# Altium PCB PCB2.PcbDoc
Units mil, origin at the board's own origin, x right, y up, seen from the top; angles counter-clockwise.
Board outline 3785 x 3235 mil, 2 copper layers (Top Layer, Bottom Layer); 24 components, 16 nets, 89 pads, 0 vias.
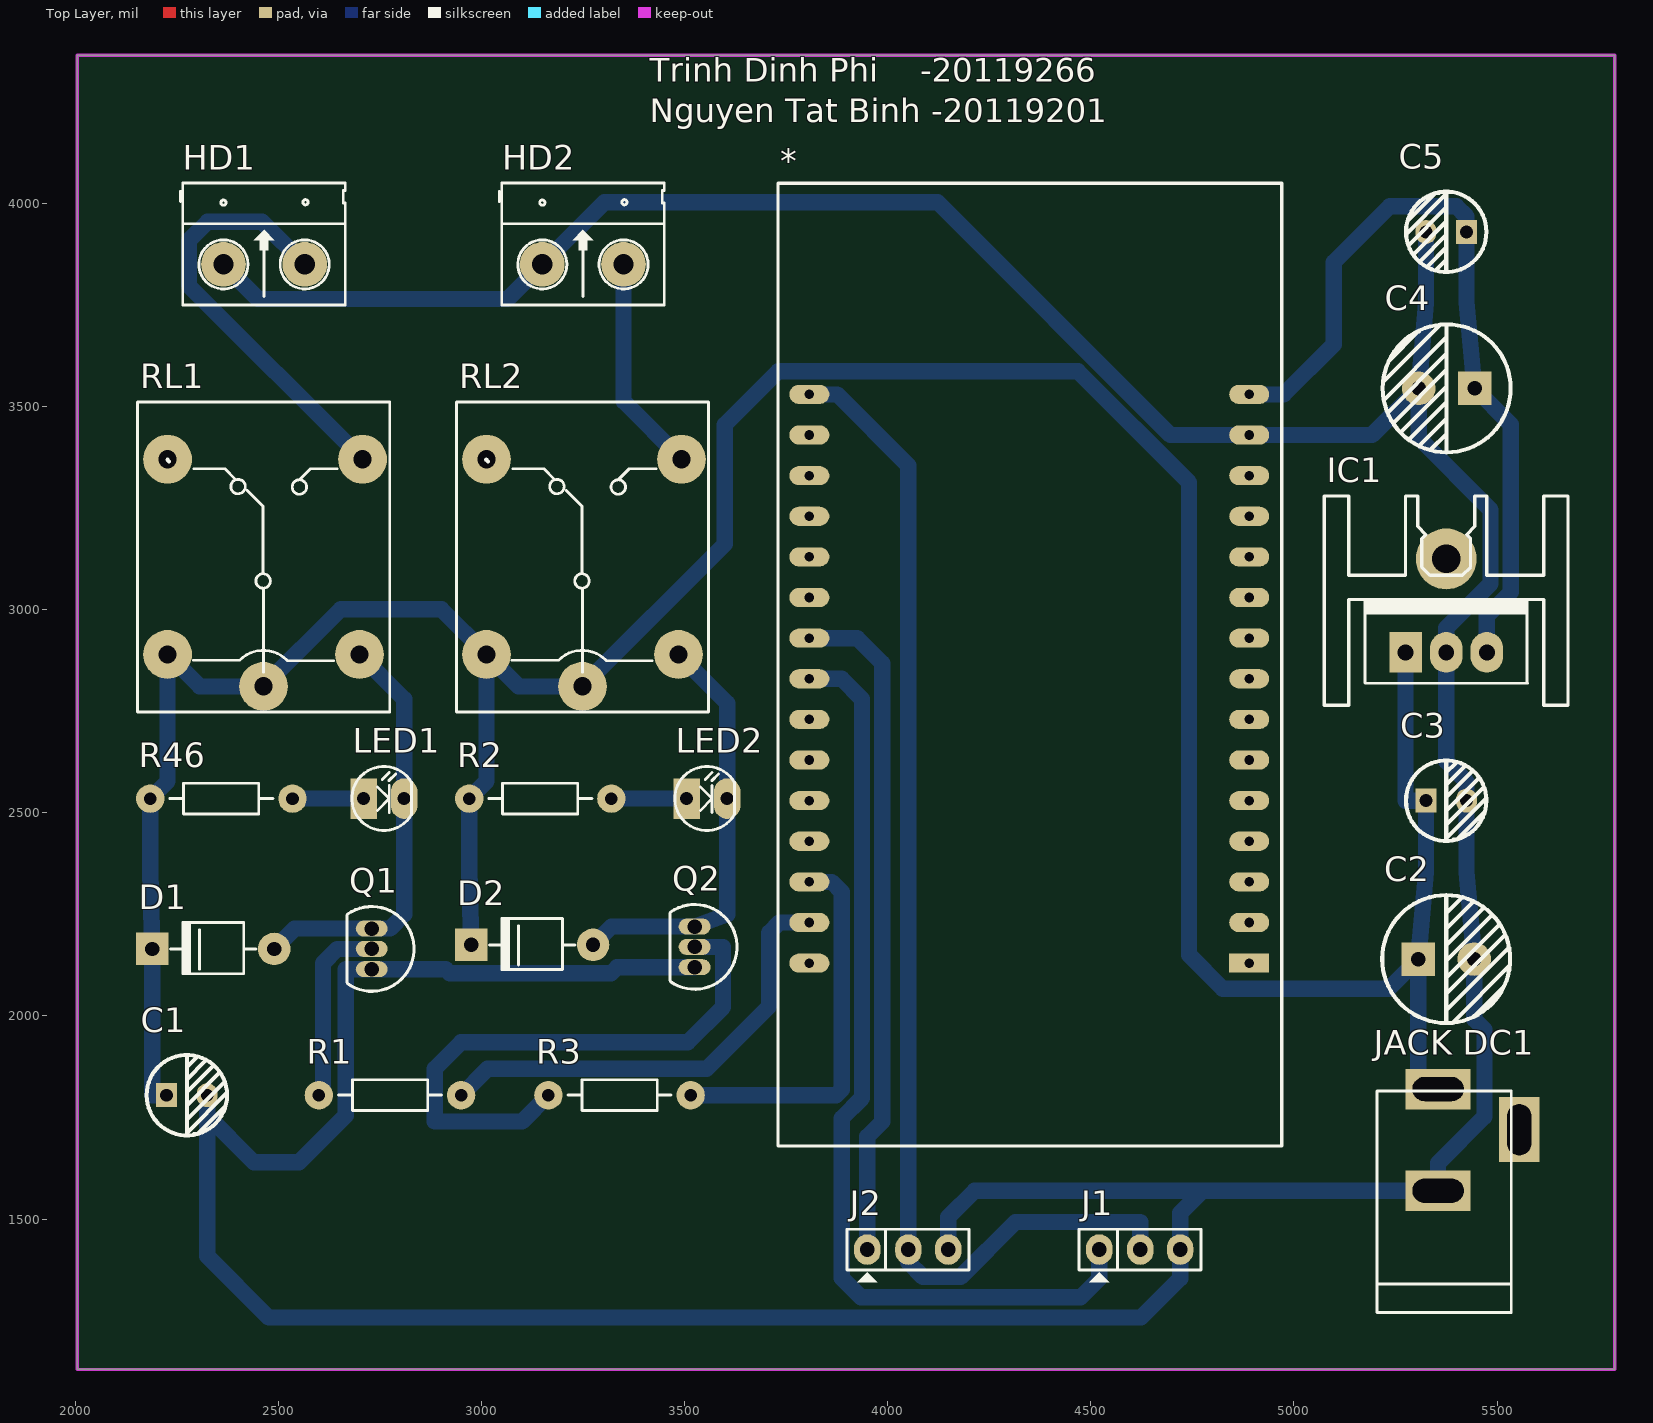
[diagram p0: Top Layer view]
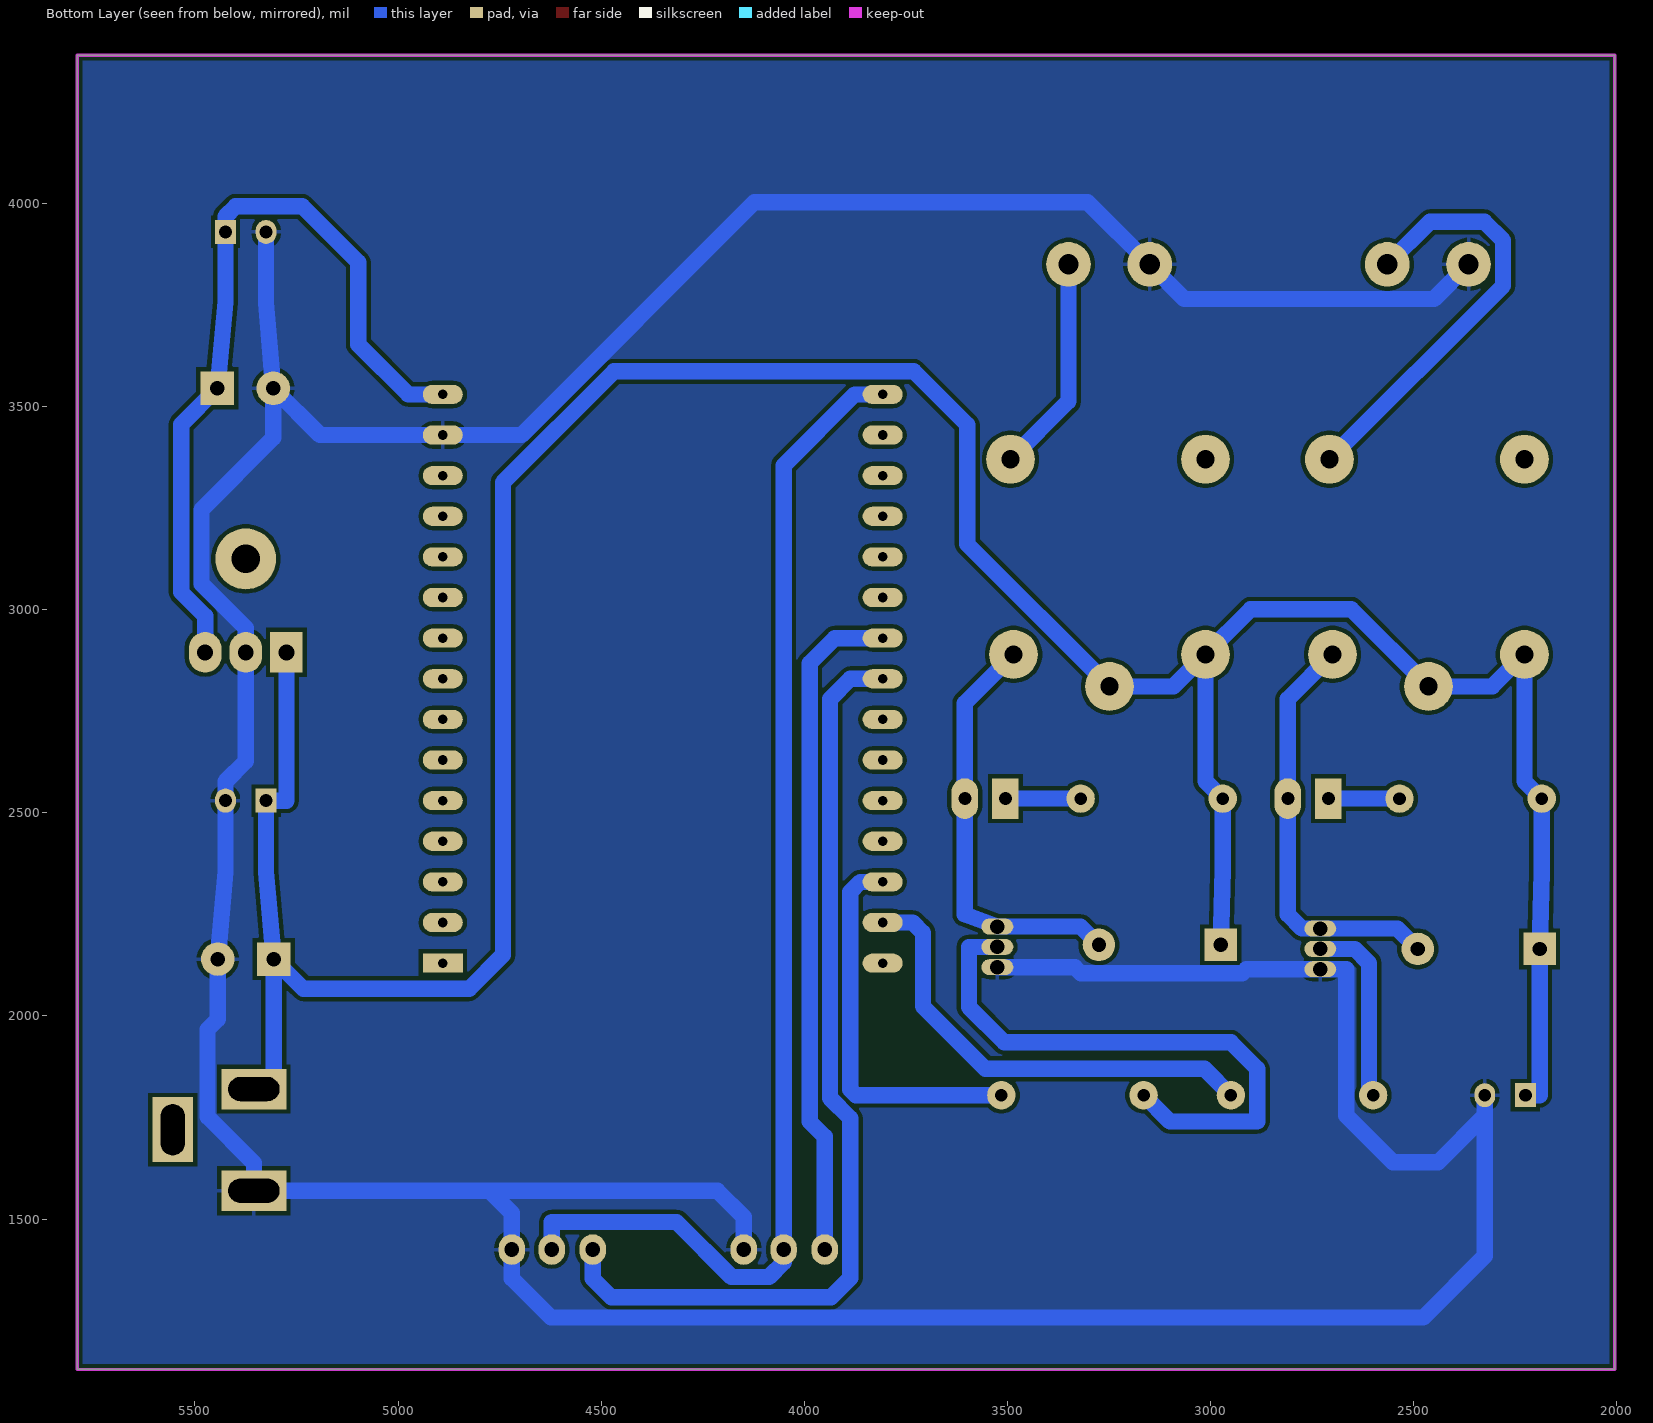
[diagram p1: Bottom Layer view, seen from below]
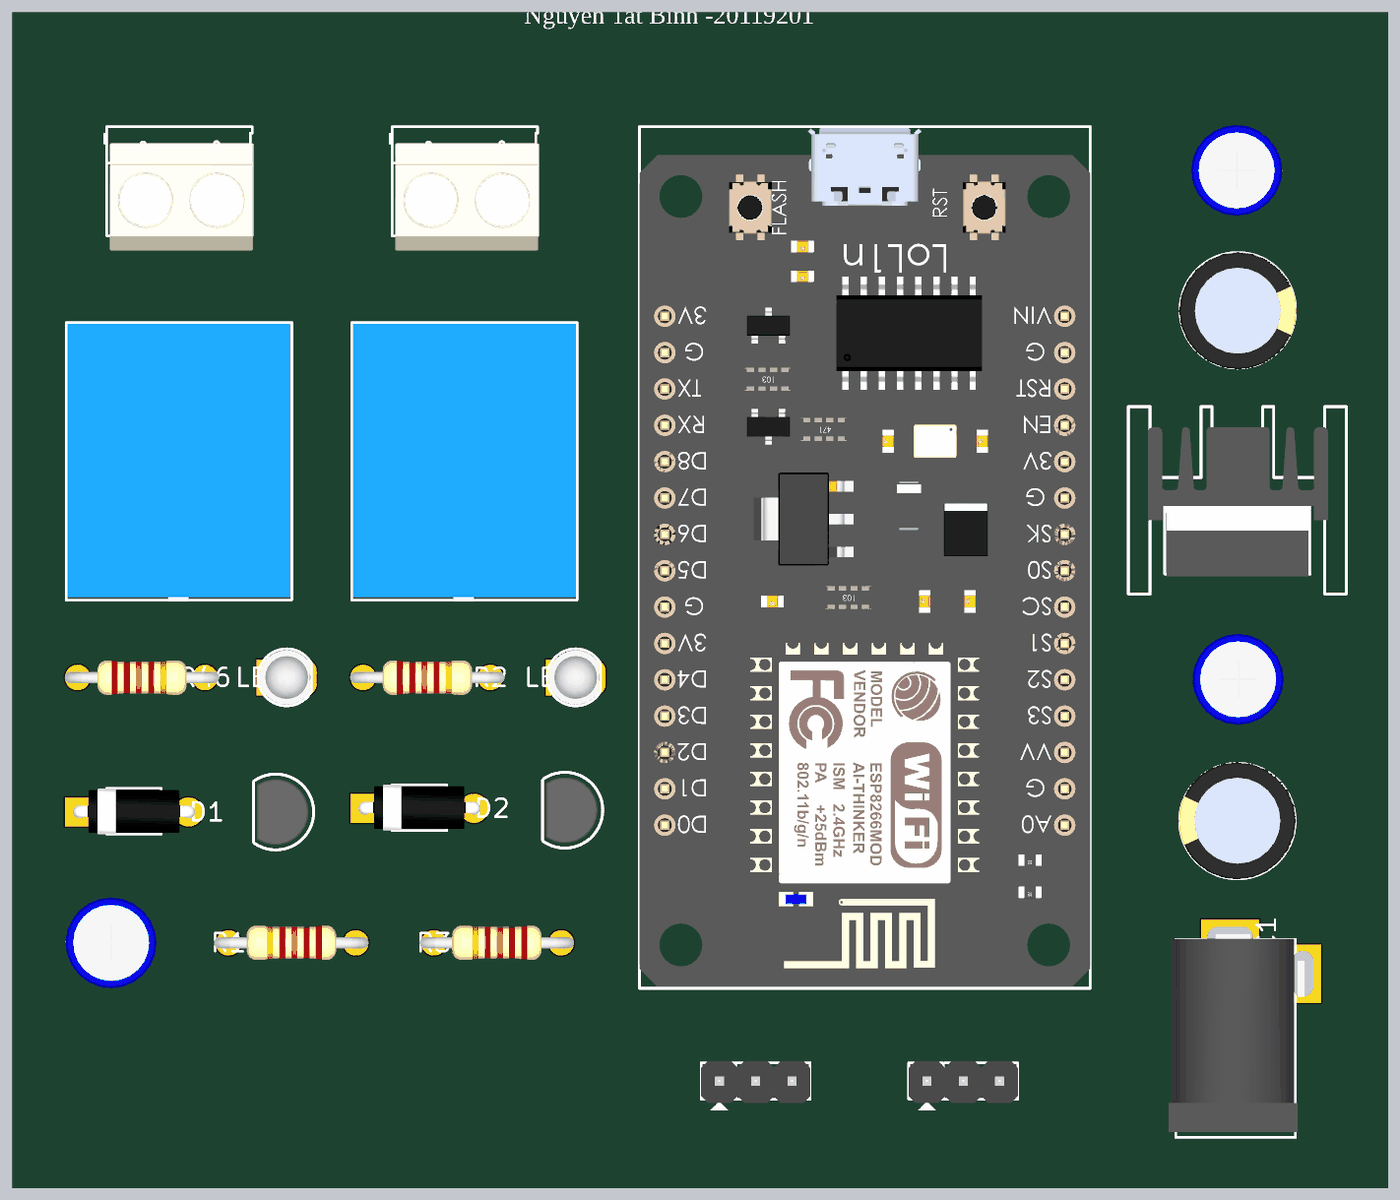
[diagram p2: 3D render of the assembled board from above, using the file's embedded part models]

## Layer stack, top to bottom
Top Solder: solder mask 0.4, Solder Resist, Dk 3.5
Top Layer: signal copper 1.4
Dielectric 1: dielectric 12.6, FR-4, Dk 4.8
Bottom Layer: signal copper 1.4
Bottom Solder: solder mask 0.4, Solder Resist, Dk 3.5

## Board outline
2005,1130 5790,1130 5790,4365 2005,4365

## Design rules (kind name [scope] priority, off if disabled: settings)
Clearance [All] p1: gap=10
PolygonConnect [All] p1: connectstyle=Relief reliefconductorwidth=10 reliefentries=4 polygonreliefangle="90 Angle" airgapwidth=10
RoutingLayers [All] p1: top layer_v5=FALSE bottom layer_v5=TRUE
RoutingVias [All] p1: holewidth=28 width=50 viastyle="Through Hole" minholewidth=28 minwidth=50 maxholewidth=28 maxwidth=50
SolderMaskExpansion [All] p1: expansion=4
Width [All] p1: maxlimit=80 minlimit=20 preferedwidth=40
29 further rules are at their usual default settings.

## Components (designator, comment, footprint, x,y, rotation, side; value= is the part's Value field where it differs from the comment)
* "ESP8266 NODE MCU" "ESP8266 NODE MCU" 4890,2130 r180 top
C1 "0.1uF" "tu hoa 5mm" 2275,1805 r0 top
C2 "1000uF" "tu hoa 8mm" 5375,2140 r0 top
C3 "0.1uF" "tu hoa 5mm" 5375,2530 r0 top
C4 "1000uF" "tu hoa 8mm" 5376.1,3545 r180 top
C5 "0.1uF" "tu hoa 5mm" 5375,3930 r180 top
D1 "100v" "DIODE 1A" 2540,2165 r0 top
D2 "100v" "DIODE 1A" 3325,2175 r0 top
HD1 "Header 2" HED2 2365,3850 r0 top
HD2 "Header 2" HED2 3150,3850 r0 top
IC1 "LM7805" QTO-220H1 5375,2895 r0 top
J1 "Jumper 3" JP3 4621,1425 r0 top
J2 "Jumper 3" JP3 4050,1425 r0 top
"JACK DC1" "JACK DC 5.5" "JACK DC 5.5" 5455,1695 r90 top
LED1 "LED" LED-3 2710,2535 r0 top
LED2 "LED" LED-3 3505,2535 r0 top
Q1 "BC547" TO92 2730,2165 r180 top
Q2 "BC547" TO92 3525,2170 r180 top
R1 "Res1" R1/4W 2600,1805 r0 top
R2 "Res1" R1/4W 3320,2535 r180 top
R3 "Res1" R1/4W 3165,1805 r0 top
R46 "Res1" R1/4W 2535,2535 r180 top
RL1 "Relay" "Relay 5 Chan SRD" 2463.78,2811.26 r90 top
RL2 "Relay" "Relay 5 Chan SRD" 3248.78,2811.26 r90 top

## Footprints (in the part's own frame and the unit in brackets; to place one, negate y for a bottom-side part, rotate by r counter-clockwise, add the part's x,y. Pads: shape width x height; smd on the part's side, far side on the other; paste and mask are expansions set on the pad)
"DIODE 1A" [mil] "Diode 1A"
  round 80 hole 35: 1(-50,0)
  rect 80x80 hole 35: 2(-350,0)
  silkscreen extent -305,-61 -95,65, body extent -366,-61 -34,65, height 122
"ESP8266 NODE MCU" [mm]
  rect 2.5x1.2 hole 0.6: 1(0,0)
  oval 2.5x1.2 hole 0.6: 2(0,-2.54) 3(0,-5.08) 4(0,-7.62) 5(0,-10.16) 6(0,-12.7) 7(0,-15.24) 8(0,-17.78) 9(0,-20.32) 10(0,-22.86) 11(0,-25.4) 12(0,-27.94) 13(0,-30.48) 14(0,-33.02) 15(0,-35.56) 16(27.5,-35.56) 17(27.5,-33.02) 18(27.5,-30.48) 19(27.5,-27.94) 20(27.5,-25.4) 21(27.5,-22.86) 22(27.5,-20.32) 23(27.5,-17.78) 24(27.5,-15.24) 25(27.5,-12.7) 26(27.5,-10.16) 27(27.5,-7.62) 28(27.5,-5.08) 29(27.5,-2.54) 30(27.5,0)
  silkscreen extent -2.03,-48.77 29.46,11.43, body extent -2.04,-48.68 29.46,11.3, height 9.03
HED2 [mil] "Header 2, 2 pin, hight 300mil, Pin to Pin 200, Colour Green"
  round 110 hole 50: 1(0,0) 2(200,0)
  silkscreen extent -106,-100 300,200, body extent -92,-140 302,155, height 394
"JACK DC 5.5" [mil] "Jac DC input"
  rect 100x160 hole 59.06 slot 125.98 at 90 deg: 1(125,100) 2(-125,100)
  rect 160x100 hole 59.06 slot 125.98 at 0 deg: 3(25,-100)
  silkscreen extent -425,-80 120,250, body extent -410,-105 134,269, height 434
JP3 [mil] "Jumper 3"
  oval 65x75 hole 36: 1(-100,0) 2(1,0) 3(99,0)
  silkscreen extent -150,-81 150,50, body extent -150,-60 150,55, height 355
LED-3 [mil] "LED 2 PIN, 3ly Only colour"
  rect 65x100 hole 32: 1(0,0)
  oval 65x100 hole 32: 2(100,0)
  silkscreen extent -29,-78 118,79, body extent -25,-75 113,75, height 217
QTO-220H1 [mil]
  round 150 hole 70: 0(0,230)
  rect 80x100 hole 39: 1(-100,0)
  oval 80x100 hole 39: 2(0,0) 3(100,0)
  silkscreen extent -300,-130 300,385, body extent -246,-82 250,329, height 1000
R1/4W [mil] "R 1/4W, 2 Pin, 350mil"
  round 70 hole 31: 1(0,0) 2(350,0)
  silkscreen extent 48,-38 302,38, body extent -40,-47 386,47, height 111
"Relay 5 Chan SRD" [mil] "Relay SPDT, 5 pin, 10A,W 650mil, L 800mil, H 800mil"
  round 120 hole 45: 1(0,0) 2(559.06,236.22) 3(559.06,-243.78) 4(78.74,-236.22) 5(78.74,236.22)
  silkscreen extent -63,-311 700,310, body extent -55,-306 697,304, height 602
TO92 [mm] "TO, Flat Index; 3 In-Line, Axial Leads; Body Dia. 4.8mm; Leads 0.51 x 0.51 mm (max)"
  oval 2x1 hole 0.9: 1(0,-1.27) 2(0,0) 3(0,1.27)
  silkscreen extent -2.65,-2.65 1.55,2.65, body extent -2.29,-2.3 1.32,2.3, height 7
"tu hoa 5mm" [mm]
  rect 1.3x1.5 hole 0.8: 1(-1.27,0)
  oval 1.3x1.5 hole 0.8: 2(1.27,0)
  silkscreen extent -2.51,-2.51 2.51,2.51, body extent -3.12,-3.18 3.23,3.18, height 14.55
"tu hoa 8mm" [mm]
  rect 2.1x2.1 hole 0.9: 1(-1.75,0)
  round 2.1 hole 0.9: 2(1.75,0)
  silkscreen extent -4,-4 4,4, body extent -4.1,-4.07 4.1,4.13, height 13.81

## Part data
C1 C3 C5: library part "Tu Hoa 0.1uF 50V 5x11", "C?m"
C2 C4: library part "Tu Hoa 1000uF 16V 8x20", "C?m"
D1 D2: library part "Diode 1N4007", "C?m"
HD1 HD2: library part Hed2, "Header 2 (Green)"
IC1: library part LD78M05
J1 J2: library part JP3
LED1 LED2: "LED Single colour Green and Red"
R1 R2 R3 R46: library part Res1_1, "Resistor"
RL1 RL2: library part "Relay 5 Chan SRD", "Relay 5 Chan"

## Nets (pads, with @x,y where several pads share a name; then routed paths per layer and width w, separated by ;. In a path a pad name is that pad's centre, name@x,y a point inside that pad or via, vN(x,y) a via of type N, cw(c..) or ccw(c..) an arc to the next point about the centre after c; other vN are vias at no path point)
3V3: *.16 J1.2 J2.2 | length 2987.7
  Bottom Layer w40: *.16 3876,3530 4051,3355 J2.2 4051,1393.5 4087,1357.5 4179.5,1357.5 4315,1493 4622,1493 J1.2
5V: *.15 C4.1 C5.1 IC1.3 | length 1990.7
  Bottom Layer w40: *.15 4975,3530 5098,3653 5098,3855 5236,3993 5400,3993 5425,3968 C5.1 5425,3758 C4.1 5534,3456 5534,3043.29 5475,2984.29 IC1.3
D1: *.29 R1.2 | length 1139.4
  Bottom Layer w40: R1.2 3015,1870 3554.28,1870 3708.26,2023.99 3708.26,2205 3733.26,2230 *.29
D2: *.28 R3.2 | length 953.8
  Bottom Layer w40: R3.2 3873,1805 3887,1819 3887,2305 3862,2330 *.28
D5: *.23 J1.1 | length 2340.3
  Bottom Layer w40: *.23 3887,2830 3937,2780 3937,1798 3887,1748 3887,1355 3934.5,1307.5 4475,1307.5 4521,1353.5 J1.1
D6: *.22 J2.1 | length 1663.7
  Bottom Layer w40: *.22 3925,2930 3987,2868 3987,1740 3950,1703 J2.1
GND: "JACK DC1.2" *.14 C1.2 C2.2 C3.2 C4.2 C5.2 HD1.1 HD2.1 IC1.2 J1.3 J2.3 Q1.3 Q2.3 | length 12030.3
  Bottom Layer w40: C1.2 2325,1755 ; HD1.1 2450,3765 3065,3765 HD2.1 3303,4003 4123,4003 4696,3430 *.14 5192.2,3430 C4.2 ; Q2.3 3334,2120 3319,2105 2922,2105 2912,2115 Q1.3 2666,2115 2666,1755 2551,1640 2440,1640 2325,1755 ; J2.3 4149,1505 4214,1570 4775,1570 ; C5.2 5325,3755.8 C4.2 ; 2325,1755 2325,1409 2476.5,1257.5 4623.5,1257.5 4720,1354 J1.3 4720,1515 4775,1570 ; 4775,1570 5355,1570 5355,1638 5469,1752 5469,1966.9 5443.9,1992 C2.2 5425,2353.9 C3.2 5425,2577 5375,2627 IC1.2 5375,2955 5484,3064 5484,3246.2 5307.2,3423 C4.2
NetD1_1: D1.1 LED1.2 Q1.1 RL1.4 | length 1040.8
  Bottom Layer w40: D1.1 2540,2215 Q1.1 2775,2215 2810,2250 LED1.2 2810,2780 RL1.4
NetD2_1: D2.1 LED2.2 Q2.1 RL2.4 | length 1043.8
  Bottom Layer w40: D2.1 3320,2220 Q2.1 3605,2250 LED2.2 3605,2770 RL2.4
NetHD1_2: HD1.2 RL1.3 | length 1063.3
  Bottom Layer w40: HD1.2 2460,3955 2326,3955 2280,3909 2280,3797.87 RL1.3
NetHD2_2: HD2.2 RL2.3 | length 538.7
  Bottom Layer w40: HD2.2 3350,3512.88 RL2.3
NetLED1_1: LED1.1 R46.1 | length 175
  Bottom Layer w40: R46.1 LED1.1
NetLED2_1: LED2.1 R2.1 | length 185
  Bottom Layer w40: R2.1 LED2.1
NetQ1_2: Q1.2 R1.1 | length 463.6
  Bottom Layer w40: R1.1 2610,1815 2610,2130 2645,2165 Q1.2
NetQ2_2: Q2.2 R3.1 | length 1427.9
  Bottom Layer w40: R3.1 3100,1740 2885,1740 2885,1870 2950,1935 3508,1935 3595,2022 3595,2170 Q2.2
Vin: "JACK DC1.1" C1.1 C2.1 C3.1 D1.2 D2.2 IC1.1 R2.2 R46.2 RL1.1 RL1.5 RL2.1 RL2.5 | length 8147.6
  Bottom Layer w40: C1.1 2190,1805 D1.2 2185,2355 R46.2 2227.56,2577.56 RL1.5 2306.3,2811.26 RL1.1 2653.52,3001 2901.56,3001 RL2.5 ; D2.2 2970,2360 R2.2 3012.56,2577.56 RL2.5 ; IC1.1 5275,2530 C3.1 5325,2353.9 C2.1 ; 5355,1820 5306.1,1820 C2.1 ; RL2.5 3091.3,2811.26 RL2.1 3599,3161.48 3599,3455 3730.71,3586.71 4468.29,3586.71 4742,3313 4742,2150 4825,2067 5233.1,2067 C2.1
pads on no net: "JACK DC1.3" *.1 *.2 *.3 *.4 *.5 *.6 *.7 *.8 *.9 *.10 *.11 *.12 *.13 *.17 *.18 *.19 *.20 *.21 *.24 *.25 *.26 *.27 *.30 IC1.0 RL1.2 RL2.2

## Polygon pours and split planes (outlines as drawn)
GND on Bottom Layer "GND_L02_P000" (solid, remove dead copper, pour order 0): 2005,4365 5790,4365 5790,1130 2005,1130

## Keep-outs
Keep-Out Layer:
  the board outline again, w7.87

## Silkscreen, mask and mechanical layers (free items; w line width, h text height)
Top Overlay:
  text "Trinh Dinh Phi    -20119266 / Nguyen Tat Binh -20119201" at 3415,4180 h100